# Allegro board visualscope2.0.brd (continued)
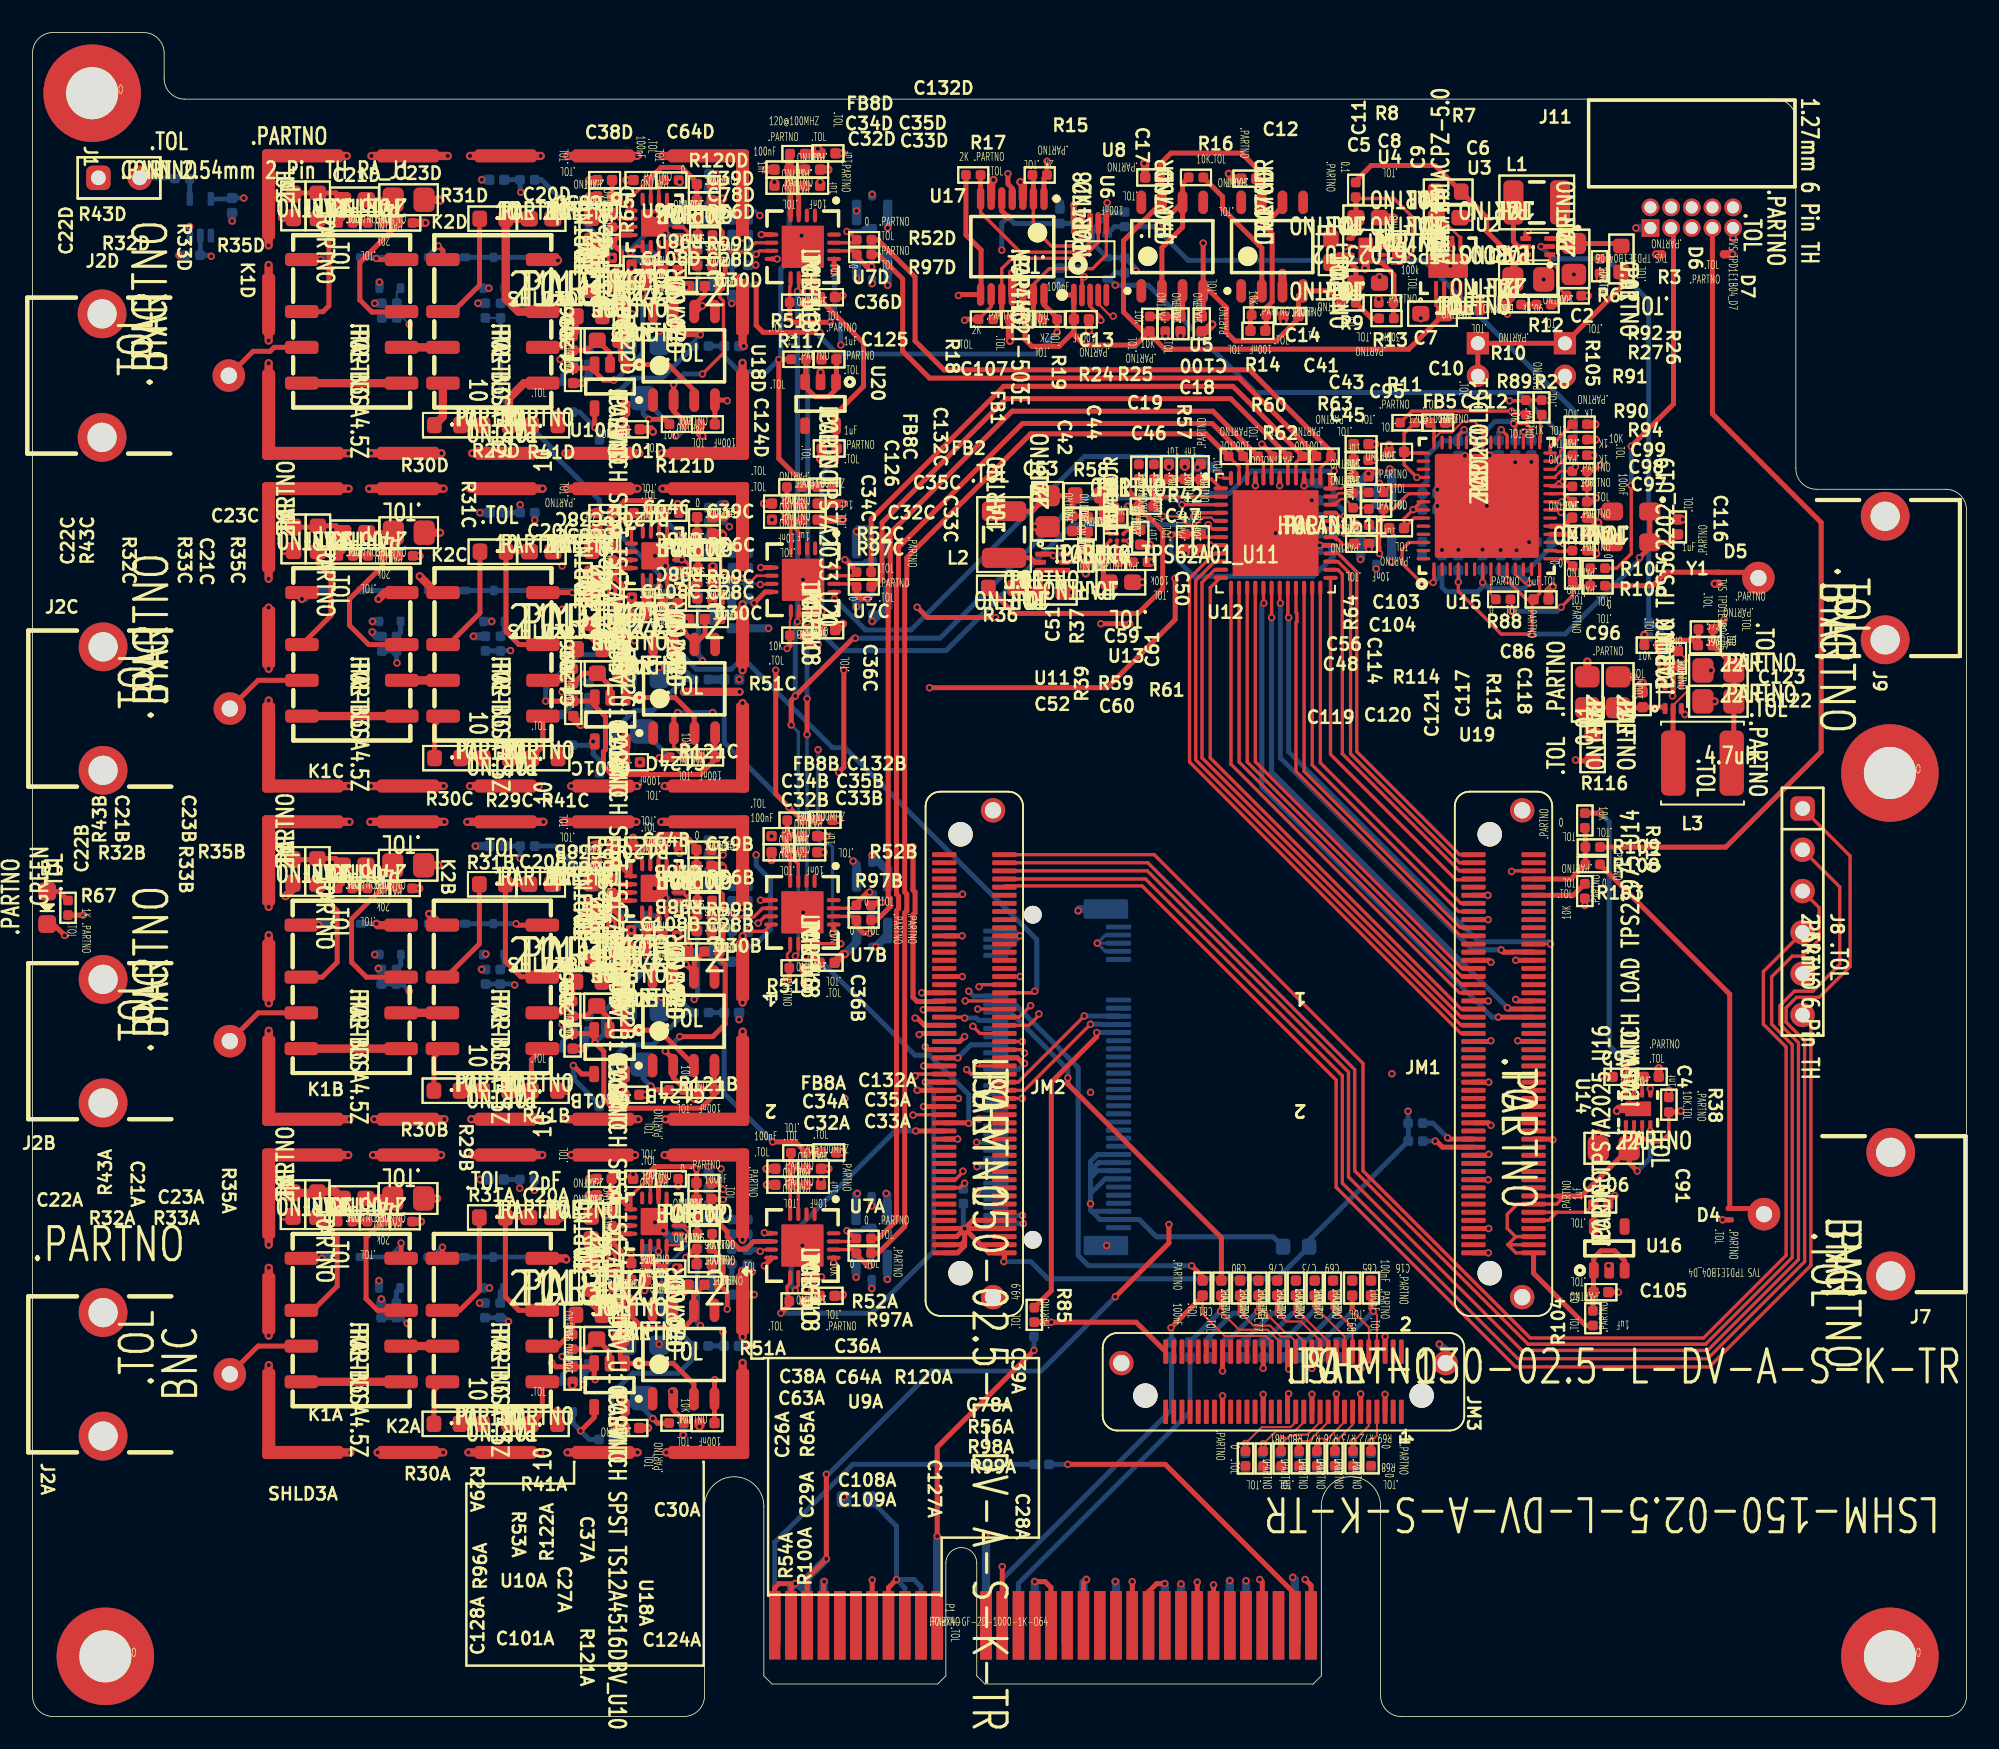
[diagram p0: board, top side]
## Library data of the parts (continued)
R97A R97B R97C R97D = RES 0 OHM 1/16W 0402_R97: Tolerance: .TOL; User Part Number: .PARTNO
R98A R98B R98C R98D = RES 90.9K OHM 1% 1/16W 0402_R98: Tolerance: .TOL; User Part Number: .PARTNO
R99A R99B R99C R99D = RES 90.9K OHM 1% 1/16W 0402_R99: Tolerance: .TOL; User Part Number: .PARTNO
R100A R100B R100C R100D = RES 2K OHM 1% 1/16W 0402_R100: Tolerance: .TOL; User Part Number: .PARTNO
R101 = RES 10K OHM 1% 1/10W 0402_R101: Tolerance: .TOL; User Part Number: .PARTNO
R102 = RES 10K OHM 1% 1/10W 0402_R102: Tolerance: .TOL; User Part Number: .PARTNO
R103 = RES 10K OHM 1% 1/10W 0402_R103: Tolerance: .TOL; User Part Number: .PARTNO
R104 = RES 0.1 OHM 1% 1/6W 0402_R104: Tolerance: .TOL; User Part Number: .PARTNO
R105 = RES 100K OHM 1% 1/10W 0402_R105: Tolerance: .TOL; User Part Number: .PARTNO
R106 = RES 0 OHM 1/16W 0402_R106: Tolerance: .TOL; User Part Number: .PARTNO
R107 = RES 0 OHM 1/16W 0402_R107: Tolerance: .TOL; User Part Number: .PARTNO
R108 = RES 0 OHM 1/16W 0402_R108: Tolerance: .TOL; User Part Number: .PARTNO
R109 = RES 0 OHM 1/16W 0402_R109: Tolerance: .TOL; User Part Number: .PARTNO
R110 = RES 10K OHM 1% 1/10W 0402_R110: Tolerance: .TOL; User Part Number: .PARTNO
R111 = RES 1K OHM 1% 1/10W 0402_R111: Tolerance: .TOL; User Part Number: .PARTNO
R113 = RES 57.6K OHM 1% 1/16W 040_R113: Tolerance: .TOL; User Part Number: .PARTNO
R114 = RES 10K OHM 1% 1/10W 0402_R114: Tolerance: .TOL; User Part Number: .PARTNO
R115 = RES 10K OHM 1% 1/10W 0402_R115: Tolerance: .TOL; User Part Number: .PARTNO
R116 = RES 0.01 OHM 1% 1/4W 0603_R116: Tolerance: .TOL; User Part Number: .PARTNO
R117 = RES 0.1 OHM 1% 1/6W 0402_R117: Tolerance: .TOL; User Part Number: .PARTNO
R118A R118B R118C R118D = RES 1K OHM 1% 1/10W 0402_R118: Tolerance: .TOL; User Part Number: .PARTNO
R119A R119B R119C R119D = RES 1K OHM 1% 1/10W 0402_R119: Tolerance: .TOL; User Part Number: .PARTNO
R120A R120B R120C R120D = RES 0 OHM 1/16W 0402_R120: Tolerance: .TOL; User Part Number: .PARTNO
R121A R121B R121C R121D = RES 10K OHM 1% 1/10W 0402_R121: Tolerance: .TOL; User Part Number: .PARTNO
R122A R122B R122C R122D = RES 90.9K OHM 1% 1/16W 040_R122: Tolerance: .TOL; User Part Number: .PARTNO
R123A R123B R123C R123D = RES DNP 0402_R123: Tolerance: .TOL; User Part Number: .PARTNO
R124A R124B R124C R124D = TRIMMER 5K OHM 0.1W J LEAD_R124: Tolerance: .TOL; User Part Number: .PARTNO
R125A R125B R125C R125D = RES 10K OHM 1% 1/10W 0402_R125: Tolerance: .TOL; User Part Number: .PARTNO
R126A R126B R126C R126D = RES 10K OHM 1% 1/10W 0402_R126: Tolerance: .TOL; User Part Number: .PARTNO
R127A R127B R127C R127D = RES 10K OHM 1% 1/10W 0402_R127: Tolerance: .TOL; User Part Number: .PARTNO
SHLD3A SHLD3B SHLD3C SHLD3D = SHIELD 2118728-2: Tolerance: .TOL; User Part Number: .PARTNO
U1 = IC BUFFER SN74LVC1G17_U1: Tolerance: .TOL; User Part Number: .PARTNO
U2 = IC BOOST TPS61023_U2: Tolerance: .TOL; User Part Number: .PARTNO
U3 = IC LDO ADM7171ACPZ-5.0_U3: Tolerance: .TOL; User Part Number: .PARTNO
U4 = IC CPUMP LM27761_U4: Tolerance: .TOL; User Part Number: .PARTNO
U5 U8 U18A U18B U18C U18D = IC OPAMP OP07CDR: Tolerance: .TOL; User Part Number: .PARTNO
U6 = IC DAC QUAD MCP4728_U6: Tolerance: .TOL; User Part Number: .PARTNO
U7A U7B U7C U7D = IC PGA LMH6518_U7: Tolerance: .TOL; User Part Number: .PARTNO
U9A U9B U9C U9D = IC BUFFER AMP BUF802_U9: Tolerance: .TOL; User Part Number: .PARTNO
U10A U10B U10C U10D = IC SWITCH SPST TS12A4516DBV_U10: Tolerance: .TOL; User Part Number: .PARTNO
U11 = IC BUCK TPS62A01_U11: Tolerance: .TOL; User Part Number: .PARTNO
U12 = IC ADC HMCAD1511_U12_0: Tolerance: .TOL; User Part Number: .PARTNO
U13 = IC LDO LD57100JR_U13: Tolerance: .TOL; User Part Number: .PARTNO
U14 = IC SWITCH LOAD TPS22975_U14: Tolerance: .TOL; User Part Number: .PARTNO
U15 = IC CLK GEN ZL30260LDG1_U15: Tolerance: .TOL; User Part Number: .PARTNO
U16 = IC LDO TPS7A2025_U16: Tolerance: .TOL; User Part Number: .PARTNO
U17 = IC DIGIPOT QUAD MCP4432T-50_U17: Tolerance: .TOL; User Part Number: .PARTNO
U19 = IC BUCK TPS562202_U19: Tolerance: .TOL; User Part Number: .PARTNO
U20 = IC LDO TPS7A2033_U20: Tolerance: .TOL; User Part Number: .PARTNO
Y1 = OSC 10MHz ECS-TXO-3225MV_Y1: Tolerance: .TOL; User Part Number: .PARTNO

## Footprints (pads in the part's own frame, mm; a bottom-side part is the same pattern mirrored in y, then rotated)
AD_DFN8_CP-8-21
  rrect 0.9x0.25 smd: 1(-1.395,0.75) 2(-1.395,0.25) 3(-1.395,-0.25) 4(-1.395,-0.75) 5(1.395,-0.75) 6(1.395,-0.25) 7(1.395,0.25) 8(1.395,0.75)
  rrect 1.49x2.44 smd: 9(0,0)
AD_QFN48_LP7
  oval 0.9x0.25 smd: 1(-3.375,2.75) 2(-3.375,2.25) 3(-3.375,1.75) 4(-3.375,1.25) 5(-3.375,0.75) 6(-3.375,0.25) 7(-3.375,-0.25) 8(-3.375,-0.75) 9(-3.375,-1.25) 10(-3.375,-1.75) 11(-3.375,-2.25) 12(-3.375,-2.75) 25(3.375,-2.75) 26(3.375,-2.25) 27(3.375,-1.75) 28(3.375,-1.25) 29(3.375,-0.75) 30(3.375,-0.25) 31(3.375,0.25) 32(3.375,0.75) 33(3.375,1.25) 34(3.375,1.75) 35(3.375,2.25) 36(3.375,2.75)
  oval 0.25x0.9 smd: 13(-2.75,-3.375) 14(-2.25,-3.375) 15(-1.75,-3.375) 16(-1.25,-3.375) 17(-0.75,-3.375) 18(-0.25,-3.375) 19(0.25,-3.375) 20(0.75,-3.375) 21(1.25,-3.375) 22(1.75,-3.375) 23(2.25,-3.375) 24(2.75,-3.375) 37(2.75,3.375) 38(2.25,3.375) 39(1.75,3.375) 40(1.25,3.375) 41(0.75,3.375) 42(0.25,3.375) 43(-0.25,3.375) 44(-0.75,3.375) 45(-1.25,3.375) 46(-1.75,3.375) 47(-2.25,3.375) 48(-2.75,3.375)
  rect 5.28x5.28 smd: 49(0,0)
BOU_3MM_POT
  rrect 1.2x1.2 smd: 1(-1,-1.55) 3(1,-1.55)
  rrect 1.6x1.5 smd: 2(0,1.7)
ECS_TXO-3225
  rrect 1.3x1.1 smd: 1(-1.15,-0.95) 2(1.15,-0.95) 3(1.15,0.95) 4(-1.15,0.95)
FUJ_FTR-B3SA
  rrect 0.8x2.06 smd: 1(-3.8,-3.07) 2(-0.6,-3.07) 3(1.6,-3.07) 4(3.8,-3.07) 5(3.8,3.07) 6(1.6,3.07) 7(-0.6,3.07) 8(-3.8,3.07)
GEN_1_27MM_2X5_PIN_TH_RA
  rect 1.09x1.09 hole 0.74: 1(-2.54,-0.635)
  round 1.09 hole 0.74: 2(-2.54,0.635) 3(-1.27,-0.635) 4(-1.27,0.635) 5(0,-0.635) 6(0,0.635) 7(1.27,-0.635) 8(1.27,0.635) 9(2.54,-0.635) 10(2.54,0.635)
GEN_2_54MM_1X2_PIN_TH_RA
  rrect 1.5x1.5 hole 0.9: 1(-1.27,0)
  round 1.5 hole 0.9: 2(1.27,0)
GEN_2_54MM_6_PIN_TH_RA
  rrect 1.5x1.5 hole 0.9: 1(-6.35,0)
  round 1.5 hole 0.9: 2(-3.81,0) 3(-1.27,0) 4(1.27,0) 5(3.81,0) 6(6.35,0)
GEN_C_0402
  rrect 0.64x0.64 smd: 1(-0.46,0) 2(0.46,0)
GEN_C_0603
  rrect 1.05x0.95 smd: 1(-0.725,0) 2(0.725,0)
GEN_C_0805
  rrect 1.3x1.5 smd: 1(-0.95,0) 2(0.95,0)
GEN_L_1210
  rrect 1.23x2.72 smd: 1(-1.435,0) 2(1.435,0)
GEN_R_0402
  rrect 0.6x0.6 smd: 1(-0.45,0) 2(0.45,0)
GEN_R_0603
  rrect 0.9x1 smd: 1(-0.8,0) 2(0.8,0)
GEN_SC-70-5
  rrect 0.85x0.4 smd: 1(-1.125,0.65) 2(-1.125,0) 3(-1.125,-0.65) 4(1.125,-0.65) 5(1.125,0.65)
GEN_SOD_323
  rrect 0.65x0.5 smd: 1(-1.1,0) 2(1.1,0)
GEN_SOT23_5_950_2900X1600X1450
  rrect 1x0.6 smd: 1(-1.35,0.95) 2(-1.35,0) 3(-1.35,-0.95) 4(1.35,-0.95) 5(1.35,0.95)
GEN_SOT_323
  rrect 0.47x0.6 smd: 1(0,0.95) 2(-0.65,-0.95) 3(0.65,-0.95)
JST_B2B-PH-K-S_LF_SN
  rect 1.368x1.368 hole 0.86: 1(1,-0.55)
  round 1.368 hole 0.86: 2(-1,-0.55)
LED_0603_LTST-S270K
  rrect 1.1x1.1 smd: 1(-1,0) 2(1,0)
MC_MSOP10_UN
  oval 1.4x0.35 smd: 1(-2.2,1) 2(-2.2,0.5) 3(-2.2,0) 4(-2.2,-0.5) 5(-2.2,-1) 6(2.2,-1) 7(2.2,-0.5) 8(2.2,0) 9(2.2,0.5) 10(2.2,1)
MC_QFN56_ZL30260
  oval 0.85x0.2 smd: 1(-3.9,3.25) 2(-3.9,2.75) 3(-3.9,2.25) 4(-3.9,1.75) 5(-3.9,1.25) 6(-3.9,0.75) 7(-3.9,0.25) 8(-3.9,-0.25) 9(-3.9,-0.75) 10(-3.9,-1.25) 11(-3.9,-1.75) 12(-3.9,-2.25) 13(-3.9,-2.75) 14(-3.9,-3.25) 29(3.9,-3.25) 30(3.9,-2.75) 31(3.9,-2.25) 32(3.9,-1.75) 33(3.9,-1.25) 34(3.9,-0.75) 35(3.9,-0.25) 36(3.9,0.25) 37(3.9,0.75) 38(3.9,1.25) 39(3.9,1.75) 40(3.9,2.25) 41(3.9,2.75) 42(3.9,3.25)
  oval 0.2x0.85 smd: 15(-3.25,-3.9) 16(-2.75,-3.9) 17(-2.25,-3.9) 18(-1.75,-3.9) 19(-1.25,-3.9) 20(-0.75,-3.9) 21(-0.25,-3.9) 22(0.25,-3.9) 23(0.75,-3.9) 24(1.25,-3.9) 25(1.75,-3.9) 26(2.25,-3.9) 27(2.75,-3.9) 28(3.25,-3.9) 43(3.25,3.9) 44(2.75,3.9) 45(2.25,3.9) 46(1.75,3.9) 47(1.25,3.9) 48(0.75,3.9) 49(0.25,3.9) 50(-0.25,3.9) 51(-0.75,3.9) 52(-1.25,3.9) 53(-1.75,3.9) 54(-2.25,3.9) 55(-2.75,3.9) 56(-3.25,3.9)
  rrect 6.4x6.4 smd: 57(0,0)
MC_TSSOP14
  oval 1.4x0.45 smd: 1(-2.95,1.95) 2(-2.95,1.3) 3(-2.95,0.65) 4(-2.95,0) 5(-2.95,-0.65) 6(-2.95,-1.3) 7(-2.95,-1.95) 8(2.95,-1.95) 9(2.95,-1.3) 10(2.95,-0.65) 11(2.95,0) 12(2.95,0.65) 13(2.95,1.3) 14(2.95,1.95)
MH_M3
  round 6 hole 3.2: 1(0,0)
MOL_0731000105
  round 2 hole 1: 1(0,-3.9)
  round 3 hole 1.8: 2(3.8,3.9) 3(-3.8,3.9)
PCIEX4-GF-2D-1000-1K-O64
  rect 0.7x3.2 smd: A1(-9.5,0.5) B17(8.5,0.5) B31(22.5,0.5)
  rect 0.7x4.2 smd: A2(-8.5,0) A3(-7.5,0) A4(-6.5,0) A5(-5.5,0) A6(-4.5,0) A7(-3.5,0) A8(-2.5,0) A9(-1.5,0) A10(-0.5,0) A11(0.5,0) A12(3.5,0) A13(4.5,0) A14(5.5,0) A15(6.5,0) A16(7.5,0) A17(8.5,0) A18(9.5,0) A19(10.5,0) A20(11.5,0) A21(12.5,0) A22(13.5,0) A23(14.5,0) A24(15.5,0) A25(16.5,0) A26(17.5,0) A27(18.5,0) A28(19.5,0) A29(20.5,0) A30(21.5,0) A31(22.5,0) A32(23.5,0) B1(-9.5,0) B2(-8.5,0) B3(-7.5,0) B4(-6.5,0) B5(-5.5,0) B6(-4.5,0) B7(-3.5,0) B8(-2.5,0) B9(-1.5,0) B10(-0.5,0) B11(0.5,0) B12(3.5,0) B13(4.5,0) B14(5.5,0) B15(6.5,0) B16(7.5,0) B18(9.5,0) B19(10.5,0) B20(11.5,0) B21(12.5,0) B22(13.5,0) B23(14.5,0) B24(15.5,0) B25(16.5,0) B26(17.5,0) B27(18.5,0) B28(19.5,0) B29(20.5,0) B30(21.5,0) B32(23.5,0)
SAM_LSHM-130-XX_X-XX-DV-A-S
  round 1.5 hole 1.5: (-8.5,-0.85) (8.5,-0.85)
  rrect 0.3x1.5 smd: 1(7.25,-1.85) 2(7.25,1.85) 3(6.75,-1.85) 4(6.75,1.85) 5(6.25,-1.85) 6(6.25,1.85) 7(5.75,-1.85) 8(5.75,1.85) 9(5.25,-1.85) 10(5.25,1.85) 11(4.75,-1.85) 12(4.75,1.85) 13(4.25,-1.85) 14(4.25,1.85) 15(3.75,-1.85) 16(3.75,1.85) 17(3.25,-1.85) 18(3.25,1.85) 19(2.75,-1.85) 20(2.75,1.85) 21(2.25,-1.85) 22(2.25,1.85) 23(1.75,-1.85) 24(1.75,1.85) 25(1.25,-1.85) 26(1.25,1.85) 27(0.75,-1.85) 28(0.75,1.85) 29(0.25,-1.85) 30(0.25,1.85) 31(-0.25,-1.85) 32(-0.25,1.85) 33(-0.75,-1.85) 34(-0.75,1.85) 35(-1.25,-1.85) 36(-1.25,1.85) 37(-1.75,-1.85) 38(-1.75,1.85) 39(-2.25,-1.85) 40(-2.25,1.85) 41(-2.75,-1.85) 42(-2.75,1.85) 43(-3.25,-1.85) 44(-3.25,1.85) 45(-3.75,-1.85) 46(-3.75,1.85) 47(-4.25,-1.85) 48(-4.25,1.85) 49(-4.75,-1.85) 50(-4.75,1.85) 51(-5.25,-1.85) 52(-5.25,1.85) 53(-5.75,-1.85) 54(-5.75,1.85) 55(-6.25,-1.85) 56(-6.25,1.85) 57(-6.75,-1.85) 58(-6.75,1.85) 59(-7.25,-1.85) 60(-7.25,1.85)
  round 1.5 hole 1: 61(9.975,1.15) 62(-9.975,1.15)
SAM_LSHM-150-XX_X-XX-DV-A-S
  round 1.5 hole 1.5: (-13.5,-0.85) (13.5,-0.85)
  rrect 0.3x1.5 smd: 1(12.25,-1.85) 2(12.25,1.85) 3(11.75,-1.85) 4(11.75,1.85) 5(11.25,-1.85) 6(11.25,1.85) 7(10.75,-1.85) 8(10.75,1.85) 9(10.25,-1.85) 10(10.25,1.85) 11(9.75,-1.85) 12(9.75,1.85) 13(9.25,-1.85) 14(9.25,1.85) 15(8.75,-1.85) 16(8.75,1.85) 17(8.25,-1.85) 18(8.25,1.85) 19(7.75,-1.85) 20(7.75,1.85) 21(7.25,-1.85) 22(7.25,1.85) 23(6.75,-1.85) 24(6.75,1.85) 25(6.25,-1.85) 26(6.25,1.85) 27(5.75,-1.85) 28(5.75,1.85) 29(5.25,-1.85) 30(5.25,1.85) 31(4.75,-1.85) 32(4.75,1.85) 33(4.25,-1.85) 34(4.25,1.85) 35(3.75,-1.85) 36(3.75,1.85) 37(3.25,-1.85) 38(3.25,1.85) 39(2.75,-1.85) 40(2.75,1.85) 41(2.25,-1.85) 42(2.25,1.85) 43(1.75,-1.85) 44(1.75,1.85) 45(1.25,-1.85) 46(1.25,1.85) 47(0.75,-1.85) 48(0.75,1.85) 49(0.25,-1.85) 50(0.25,1.85) 51(-0.25,-1.85) 52(-0.25,1.85) 53(-0.75,-1.85) 54(-0.75,1.85) 55(-1.25,-1.85) 56(-1.25,1.85) 57(-1.75,-1.85) 58(-1.75,1.85) 59(-2.25,-1.85) 60(-2.25,1.85) 61(-2.75,-1.85) 62(-2.75,1.85) 63(-3.25,-1.85) 64(-3.25,1.85) 65(-3.75,-1.85) 66(-3.75,1.85) 67(-4.25,-1.85) 68(-4.25,1.85) 69(-4.75,-1.85) 70(-4.75,1.85) 71(-5.25,-1.85) 72(-5.25,1.85) 73(-5.75,-1.85) 74(-5.75,1.85) 75(-6.25,-1.85) 76(-6.25,1.85) 77(-6.75,-1.85) 78(-6.75,1.85) 79(-7.25,-1.85) 80(-7.25,1.85) 81(-7.75,-1.85) 82(-7.75,1.85) 83(-8.25,-1.85) 84(-8.25,1.85) 85(-8.75,-1.85) 86(-8.75,1.85) 87(-9.25,-1.85) 88(-9.25,1.85) 89(-9.75,-1.85) 90(-9.75,1.85) 91(-10.25,-1.85) 92(-10.25,1.85) 93(-10.75,-1.85) 94(-10.75,1.85) 95(-11.25,-1.85) 96(-11.25,1.85) 97(-11.75,-1.85) 98(-11.75,1.85) 99(-12.25,-1.85) 100(-12.25,1.85)
  round 1.5 hole 1: 101(14.975,1.15) 102(-14.975,1.15)
ST_FLIPCHIP6
  round 0.279 smd: A1(-0.2,0.4) A2(0.2,0.4) B1(-0.2,0) B2(0.2,0) C1(-0.2,-0.4) C2(0.2,-0.4)
TE_2118728-2
  rrect 0.8x5.55 smd: 1(-14.581,6.772) 3(-14.579,-6.772) 9(14.581,-6.772) 11(14.579,6.772)
  rrect 0.8x3.8 smd: 2(-14.579,0.003) 10(14.581,0.003)
  rrect 4.98x0.8 smd: 4(-12.489,-9.147) 8(12.491,-9.147) 12(12.489,9.147) 16(-12.491,9.147)
  rrect 3.8x0.8 smd: 5(-5.999,-9.147) 6(0.001,-9.147) 7(6.001,-9.147) 13(5.999,9.147) 14(-0.001,9.147) 15(-6.001,9.147)
TE_2334884-1
  rrect 0.6x0.55 smd: 1(0,-0.975)
  rrect 0.58x1.58 smd: 2(0.96,0) 4(-0.96,0)
  rrect 0.5x0.5 smd: 3(0,1)
TE_M2_KEYM_2199230
  round 1.092 hole 1.092: (-10,-1.5) (10,-1.5)
  rrect 0.305x1.549 smd: 1(-9.25,3.775) 2(-9,-3.775) 3(-8.75,3.775) 4(-8.5,-3.775) 5(-8.25,3.775) 6(-8,-3.775) 7(-7.75,3.775) 8(-7.5,-3.775) 9(-7.25,3.775) 10(-7,-3.775) 11(-6.75,3.775) 12(-6.5,-3.775) 13(-6.25,3.775) 14(-6,-3.775) 15(-5.75,3.775) 16(-5.5,-3.775) 17(-5.25,3.775) 18(-5,-3.775) 19(-4.75,3.775) 20(-4.5,-3.775) 21(-4.25,3.775) 22(-4,-3.775) 23(-3.75,3.775) 24(-3.5,-3.775) 25(-3.25,3.775) 26(-3,-3.775) 27(-2.75,3.775) 28(-2.5,-3.775) 29(-2.25,3.775) 30(-2,-3.775) 31(-1.75,3.775) 32(-1.5,-3.775) 33(-1.25,3.775) 34(-1,-3.775) 35(-0.75,3.775) 36(-0.5,-3.775) 37(-0.25,3.775) 38(0,-3.775) 39(0.25,3.775) 40(0.5,-3.775) 41(0.75,3.775) 42(1,-3.775) 43(1.25,3.775) 44(1.5,-3.775) 45(1.75,3.775) 46(2,-3.775) 47(2.25,3.775) 48(2.5,-3.775) 49(2.75,3.775) 50(3,-3.775) 51(3.25,3.775) 52(3.5,-3.775) 53(3.75,3.775) 54(4,-3.775) 55(4.25,3.775) 56(4.5,-3.775) 57(4.75,3.775) 58(5,-3.775) 67(7.25,3.775) 68(7.5,-3.775) 69(7.75,3.775) 70(8,-3.775) 71(8.25,3.775) 72(8.5,-3.775) 73(8.75,3.775) 74(9,-3.775) 75(9.25,3.775)
  rrect 1.194x2.743 smd: 76(-10.35,3) 77(10.35,3)
TI_SOIC8_D0008A
  oval 1.45x0.6 smd: 1(-2.725,1.905) 2(-2.725,0.635) 3(-2.725,-0.635) 4(-2.725,-1.905) 5(2.725,-1.905) 6(2.725,-0.635) 7(2.725,0.635) 8(2.725,1.905)
TI_SOT563_DRL0006A
  rrect 0.67x0.3 smd: 1(-0.74,0.5) 2(-0.74,0) 3(-0.74,-0.5) 4(0.74,-0.5) 5(0.74,0) 6(0.74,0.5)
TI_VQFN_RGT0016C
  oval 0.8x0.25 smd: 1(-1.45,0.75) 2(-1.45,0.25) 3(-1.45,-0.25) 4(-1.45,-0.75) 9(1.45,-0.75) 10(1.45,-0.25) 11(1.45,0.25) 12(1.45,0.75)
  oval 0.25x0.8 smd: 5(-0.75,-1.45) 6(-0.25,-1.45) 7(0.25,-1.45) 8(0.75,-1.45) 13(0.75,1.45) 14(0.25,1.45) 15(-0.25,1.45) 16(-0.75,1.45)
  rrect 1.68x1.68 smd: 17(0,0)
TI_WQFN_RGH0016A
  oval 0.85x0.25 smd: 1(-1.925,0.75) 2(-1.925,0.25) 3(-1.925,-0.25) 4(-1.925,-0.75) 9(1.925,-0.75) 10(1.925,-0.25) 11(1.925,0.25) 12(1.925,0.75)
  oval 0.25x0.85 smd: 5(-0.75,-1.925) 6(-0.25,-1.925) 7(0.25,-1.925) 8(0.75,-1.925) 13(0.75,1.925) 14(0.25,1.925) 15(-0.25,1.925) 16(-0.75,1.925)
  rrect 2.6x2.6 smd: 17(0,0)
TI_WSON8_DSG0008A
  rrect 0.5x0.25 smd: 1(-0.95,0.75) 2(-0.95,0.25) 3(-0.95,-0.25) 4(-0.95,-0.75) 5(0.95,-0.75) 6(0.95,-0.25) 7(0.95,0.25) 8(0.95,0.75)
  rrect 0.9x1.6 smd: 9(0,0)
TI_X1SON_DPY0002A
  rrect 0.3x0.5 smd: 1(-0.35,0) 2(0.35,0)
TY_IND_NRS5030
  rrect 1.5x4 smd: 1(-1.8,0) 2(1.8,0)

## Nets
3.3VAUX: P1.B10
+1V8A: C41.2 C42.2 C43.2 C44.2 C45.2 C46.2 C54.2 C55.2 C56.2 U12.1 U12.32 U12.36
+1V8APLL: C82.1 C83.1 C84.1 C85.1 C86.1 C87.1 C89.1 C114.1 C115.1 C116.1 U15.4 U15.10 U15.14 U15.31 U15.33 U15.39 U15.49 U15.50 U15.51 Y1.1 Y1.4(VDD)
+1V8D: C47.2 C48.2 C49.2 C50.2 U12.7 U12.30
+1V92: C51.2 C53.2 L2.2 R37.2 R58.1
+2V5: C106.2 JM1.10 JM1.12 U16.5(OUT)
+3V3: C1.1 C57.2 C58.2 C61.2 C92.2 D2A.1(K) D2B.1(K) D2C.1(K) D2D.1(K) D3A.1(K) D3B.1(K) D3C.1(K) D3D.1(K) FB5.1 K1A.1 K1B.1 K1C.1 K1D.1 K2A.1 K2B.1 K2C.1 K2D.1 Q1.2 Q2.2 R20.2 R21.2 R36.1 R42.2 R44.2 R67.2 R89.2 R90.2 R91.2 R93.1 R94.1 R110.1 R111.1 U1.5(VCC) U12.33 U13.C2 U14.7(VOUT1) U14.8
+3V3_IN: C91.2 JM1.2 JM1.4 JM1.6 JM1.14 JM1.16 JM2.1 JM2.2 JM2.3 JM2.4 JM2.5 JM2.7 JM2.8 JM2.10 R66.2 R87.2 R95.2 R101.2 R102.2 R104.1 U14.1 U14.2 U14.4
+3V3_M2: J10.3 J10.5 J10.13 J10.15 J10.17 J10.19 J10.69 J10.71 J10.73 R95.1
+3V3_PCIE: P1.A9 P1.A10 P1.B8 R87.1
+3V3_PGA: C36A.2 C36B.2 C36C.2 C36D.2 C126.2 R51A.2 R51B.2 R51C.2 R51D.2 U7A.12(VDD) U7B.12(VDD) U7C.12(VDD) U7D.12(VDD) U20.5(OUT)
+5V: C7.2 C12.1 C13.2 C17.1 C107.2 C111A.2 C111B.2 C111C.2 C111D.2 C132A.2 C132B.2 C132C.2 C132D.2 FB8A.2 FB8B.2 FB8C.2 FB8D.2 FB9A.1 FB9B.1 FB9C.1 FB9D.1 R22.2 R23.2 R24.2 R117.1 U3.1 U3.2(VOUT1) U3.3 U5.7 U6.1 U8.7 U17.12
+5V2: C3.2 C118.2 C122.2 C123.2 L3.2 R7.1 R8.1 R10.2 R113.2 U2.6(VOUT)
+12V: C119.2 C120.2 C121.1 R116.2 U19.1(VIN)
+12V_PCIE: P1.A2 P1.A3 P1.B1 P1.B2 P1.B3 R116.1
-5V: C14.2 C18.2 C133A.1 C133B.1 C133C.1 C133D.1 FB10A.1 FB10B.1 FB10C.1 FB10D.1 R9.2 U5.4(V-) U8.4(V-)
GND: C1.2 C2.1 C3.1 C4.1 C5.1 C6.1 C7.1 C8.1 C10.1 C11.1 C12.2 C13.1 C14.1 C17.2 C18.1 C19.1 C20A.2 C20B.2 C20C.2 C20D.2 C22A.1 C22B.1 C22C.1 C22D.1 C23A.1 C23B.1 C23C.1 C23D.1 C28A.2 C28B.2 C28C.2 C28D.2 C29A.1 C29B.1 C29C.1 C29D.1 C31A.2 C31B.2 C31C.2 C31D.2 C32A.1 C32B.1 C32C.1 C32D.1 C33A.1 C33B.1 C33C.1 C33D.1 C34A.1 C34B.1 C34C.1 C34D.1 C35A.1 C35B.1 C35C.1 C35D.1 C36A.1 C36B.1 C36C.1 C36D.1 C37A.1 C37B.1 C37C.1 C37D.1 C38A.2 C38B.2 C38C.2 C38D.2 C39A.2 C39B.2 C39C.2 C39D.2 C41.1 C42.1 C43.1 C44.1 C45.1 C46.1 C47.1 C48.1 C49.1 C50.1 C52.1 C53.1 C54.1 C55.1 C56.1 C57.1 C58.1 C59.1 C60.1 C61.1 C63A.2 C63B.2 C63C.2 C63D.2 C64A.1 C64B.1 C64C.1 C64D.1 C78A.1 C78B.1 C78C.1 C78D.1 C82.2 C83.2 C84.2 C85.2 C86.2 C87.2 C88.2 C89.2 C90.2 C91.1 C92.1 C93.2 C94.2 C95.2 C97.2 C99.2 C101A.1 C101B.1 C101C.1 C101D.1 C102A.1 C102B.1 C102C.1 C102D.1 C105.1 C106.1 C107.1 C108A.1 C108B.1 C108C.1 C108D.1 C109A.2 C109B.2 C109C.2 C109D.2 C110A.2 C110B.2 C110C.2 C110D.2 C111A.1 C111B.1 C111C.1 C111D.1 C112.2 C113.2 C114.2 C115.2 C116.2 C119.1 C120.1 C121.2 C122.1 C123.1 C124A.2 C124B.2 C124C.2 C124D.2 C125.1 C126.1 C127A.1 C127B.1 C127C.1 C127D.1 C128A.1 C128B.1 C128C.1 C128D.1 C129A.2 C129B.2 C129C.2 C129D.2 C130A.2 C130B.2 C130C.2 C130D.2 C131A.2 C131B.2 C131C.2 C131D.2 C132A.1 C132B.1 C132C.1 C132D.1 C133A.2 C133B.2 C133C.2 C133D.2 C134.1 D4.2 D5.2 D6.2 D7.2 J1.1 J2A.2 J2A.3 J2B.2 J2B.3 J2C.2 J2C.3 J2D.2 J2D.3 J3A.2 J3A.3 J3A.4 J3B.2 J3B.3 J3B.4 J3C.2 J3C.3 J3C.4 J3D.2 J3D.3 J3D.4 J4A.2 J4A.3 J4A.4 J4B.2 J4B.3 J4B.4 J4C.2 J4C.3 J4C.4 J4D.2 J4D.3 J4D.4 J5.2 J5.3 J5.4 J6.2 J6.3 J6.4 J7.2 J7.3 J8.5 J9.2 J9.3 J10.2 J10.4 J10.10 J10.16 J10.22 J10.28 J10.34 J10.40 J10.46 J10.52 J10.58 J10.70 J10.72 J10.74 J10.76 J10.77 J11.1 J11.2 J11.4 J11.5 J11.6 J11.8 J11.9 J11.10 J13.2 JM1.1 JM1.7 JM1.19 JM1.25 JM1.30 JM1.33 JM1.43 JM1.53 JM1.54 JM1.63 JM1.64 JM1.73 JM1.74 JM1.83 JM1.89 JM1.101 JM1.102 JM2.19 JM2.29 JM2.39 JM2.40 JM2.49 JM2.50 JM2.59 JM2.60 JM2.69 JM2.70 JM2.79 JM2.80 JM2.89 JM2.101 JM2.102 JM3.5 JM3.6 JM3.11 JM3.12 JM3.17 JM3.18 JM3.23 JM3.24 JM3.29 JM3.30 JM3.35 JM3.36 JM3.45 JM3.46 JM3.61 JM3.62 MH1.1 MH2.1 MH3.1 MH4.1 P1.A4 P1.A12 P1.A15 P1.A18 P1.A20 P1.A23 P1.A24 P1.A27 P1.A28 P1.A31 P1.B4 P1.B7 P1.B13 P1.B16 P1.B18 P1.B21 P1.B22 P1.B25 P1.B26 P1.B29 P1.B32 Q3A.3(S) Q3B.3(S) Q3C.3(S) Q3D.3(S) Q4A.3(S) Q4B.3(S) Q4C.3(S) Q4D.3(S) Q5A.3(S) Q5B.3(S) Q5C.3(S) Q5D.3(S) R2.1 R6.2 R13.1 R25.1 R26.1 R27.1 R35A.1 R35B.1 R35C.1 R35D.1 R38.1 R39.1 R41A.1 R41B.1 R41C.1 R41D.1 R46.2 R49A.1 R49B.1 R49C.1 R49D.1 R50A.1 R50B.1 R50C.1 R50D.1 R61.1 R92.1 R103.1 R105.1 R114.1 R115.2 R120A.1 R120B.1 R120C.1 R120D.1 R122A.1 R122B.1 R122C.1 R122D.1 R123A.1 R123B.1 R123C.1 R123D.1 R124A.3 R124B.3 R124C.3 R124D.3 R127A.1 R127B.1 R127C.1 R127D.1 SHLD3A.1 SHLD3A.2 SHLD3A.3 SHLD3A.4 SHLD3A.5 SHLD3A.6 SHLD3A.7 SHLD3A.8 SHLD3A.9 SHLD3A.10 SHLD3A.11 SHLD3A.12 SHLD3A.13 SHLD3A.14 SHLD3A.15 SHLD3A.16 SHLD3B.1 SHLD3B.2 SHLD3B.3 SHLD3B.4 SHLD3B.5 SHLD3B.6 SHLD3B.7 SHLD3B.8 SHLD3B.9 SHLD3B.10 SHLD3B.11 SHLD3B.12 SHLD3B.13 SHLD3B.14 SHLD3B.15 SHLD3B.16 SHLD3C.1 SHLD3C.2 SHLD3C.3 SHLD3C.4 SHLD3C.5 SHLD3C.6 SHLD3C.7 SHLD3C.8 SHLD3C.9 SHLD3C.10 SHLD3C.11 SHLD3C.12 SHLD3C.13 SHLD3C.14 SHLD3C.15 SHLD3C.16 SHLD3D.1 SHLD3D.2 SHLD3D.3 SHLD3D.4 SHLD3D.5 SHLD3D.6 SHLD3D.7 SHLD3D.8 SHLD3D.9 SHLD3D.10 SHLD3D.11 SHLD3D.12 SHLD3D.13 SHLD3D.14 SHLD3D.15 SHLD3D.16 U1.3 U2.4 U3.6 U3.9 U4.2 U4.9 U5.3 U6.4 U6.10(VSS) U7A.5 U7A.8 U7A.17 U7B.5 U7B.8 U7B.17 U7C.5 U7C.8 U7C.17 U7D.5 U7D.8 U7D.17 U9A.17 U9B.17 U9C.17 U9D.17 U11.1 U12.8 U12.29 U12.31 U12.39 U12.42 U12.45 U12.49 U13.C1 U14.5 U14.9 U15.57 U16.2 U17.3 U17.6(VSS) U17.11 U19.3 U20.2 Y1.2
VDDH: C88.1 C90.1 C93.1 C94.1 C95.1 C112.1 C113.1 FB5.2 U15.1 U15.7 U15.11 U15.17 U15.30 U15.32 U15.36 U15.42 U15.43 U15.46 U15.54
+VBIAS: C130A.1 C130B.1 C130C.1 C130D.1 FB6A.1 FB6B.1 FB6C.1 FB6D.1 R16.1 U8.2 U8.6
+VFFE_FRONT END_CH1: C37A.2 C38A.1 C39A.1 C63A.1 C64A.2 C78A.2 C101A.2 FB9A.2 R125A.2 U9A.1 U9A.12 U9A.15 U10A.5 U18A.7
+VFFE_FRONT END_CH2: C37B.2 C38B.1 C39B.1 C63B.1 C64B.2 C78B.2 C101B.2 FB9B.2 R125B.2 U9B.1 U9B.12 U9B.15 U10B.5 U18B.7
+VFFE_FRONT END_CH3: C37C.2 C38C.1 C39C.1 C63C.1 C64C.2 C78C.2 C101C.2 FB9C.2 R125C.2 U9C.1 U9C.12 U9C.15 U10C.5 U18C.7
+VFFE_FRONT END_CH4: C37D.2 C38D.1 C39D.1 C63D.1 C64D.2 C78D.2 C101D.2 FB9D.2 R125D.2 U9D.1 U9D.12 U9D.15 U10D.5 U18D.7
+VPGA_FRONT END_CH1: C32A.2 C33A.2 C34A.2 C35A.2 FB8A.1 U7A.3 U7A.4
+VPGA_FRONT END_CH2: C32B.2 C33B.2 C34B.2 C35B.2 FB8B.1 U7B.3 U7B.4
+VPGA_FRONT END_CH3: C32C.2 C33C.2 C34C.2 C35C.2 FB8C.1 U7C.3 U7C.4
+VPGA_FRONT END_CH4: C32D.2 C33D.2 C34D.2 C35D.2 FB8D.1 U7D.3 U7D.4
+VUSB: J12.1 J12.2 J13.1 R3.2
-VBIAS: C100.1 C129A.1 C129B.1 C129C.1 C129D.1 FB4A.2 FB4B.2 FB4C.2 FB4D.2 R14.2 U5.6
-VFFE_FRONT END_CH1: C102A.2 C108A.2 C109A.1 C110A.1 C124A.1 C127A.2 C128A.2 FB10A.2 R55A.2 U9A.5 U9A.6 U9A.8 U9A.10(VSO-) U10A.3(V-) U18A.4(V-)
-VFFE_FRONT END_CH2: C102B.2 C108B.2 C109B.1 C110B.1 C124B.1 C127B.2 C128B.2 FB10B.2 R55B.2 U9B.5 U9B.6 U9B.8 U9B.10(VSO-) U10B.3(V-) U18B.4(V-)
-VFFE_FRONT END_CH3: C102C.2 C108C.2 C109C.1 C110C.1 C124C.1 C127C.2 C128C.2 FB10C.2 R55C.2 U9C.5 U9C.6 U9C.8 U9C.10(VSO-) U10C.3(V-) U18C.4(V-)
-VFFE_FRONT END_CH4: C102D.2 C108D.2 C109D.1 C110D.1 C124D.1 C127D.2 C128D.2 FB10D.2 R55D.2 U9D.5 U9D.6 U9D.8 U9D.10(VSO-) U10D.3(V-) U18D.4(V-)
AC0: R94.2 U15.23
AC1: R93.2 U15.22
AC2: R92.2 U15.28
ACQ_EN: JM2.52 R38.2 U14.3
ADC_CLK_C_N: C104.1 R64.1 U12.34
ADC_CLK_C_P: C103.1 R64.2 U12.35
ADC_CLK_N: C104.2 J5.1(S) U15.48
ADC_CLK_P: C103.2 J6.1(S) U15.47
ADC_PD: R46.1 U12.6
ADC_RSTN: R44.1 U12.5
ATTEN_1: JM2.35 R47A.2 R49A.2
ATTEN_2: JM2.45 R47B.2 R49B.2
ATTEN_3: JM2.55 R47C.2 R49C.2
ATTEN_4: JM2.62 R47D.2 R49D.2
ATTEN_OUT_FRONT END_CH1: K2A.6 R53A.1 R96A.2
ATTEN_OUT_FRONT END_CH2: K2B.6 R53B.1 R96B.2
ATTEN_OUT_FRONT END_CH3: K2C.6 R53C.1 R96C.2
ATTEN_OUT_FRONT END_CH4: K2D.6 R53D.1 R96D.2
CH1_N: R57.2 R97A.2 U12.47
CH1_P: R52A.2 R57.1 U12.46
CH2_N: R60.2 R97B.2 U12.44
CH2_P: R52B.2 R60.1 U12.43
CH3_N: R62.2 R97C.2 U12.41
CH3_P: R52C.2 R62.1 U12.40
CH4_N: R63.2 R97D.2 U12.38
CH4_P: R52D.2 R63.1 U12.37
D1A_N: JM1.57 U12.10
D1A_P: JM1.55 U12.9
D1B_N: JM1.61 U12.12
D1B_P: JM1.59 U12.11
D2A_N: JM1.67 U12.14
D2A_P: JM1.65 U12.13
D2B_N: JM1.71 U12.16
D2B_P: JM1.69 U12.15
D3A_N: JM1.81 U12.22
D3A_P: JM1.79 U12.21
D3B_N: JM1.87 U12.24
D3B_P: JM1.85 U12.23
D4A_N: JM1.95 U12.26
D4A_P: JM1.93 U12.25
D4B_N: JM1.99 U12.28
D4B_P: JM1.97 U12.27
DC_CPL_1: JM2.37 R126A.2 R127A.2
DC_CPL_2: JM2.47 R126B.2 R127B.2
DC_CPL_3: JM2.57 R126C.2 R127C.2
DC_CPL_4: JM2.64 R126D.2 R127D.2
DC_CPLN_FRONT END_CH1: Q5A.1 R125A.1 U10A.4
DC_CPLN_FRONT END_CH2: Q5B.1 R125B.1 U10B.4
DC_CPLN_FRONT END_CH3: Q5C.1 R125C.1 U10C.4
DC_CPLN_FRONT END_CH4: Q5D.1 R125D.1 U10D.4
EN1: JM1.27 R102.1
FCLK_N: JM1.78 U12.20
FCLK_P: JM1.76 U12.19
FE_EN: JM2.54 R6.1 R115.1 U2.2 U19.5
IF0: R27.2 U15.27
IF1: R26.2 U15.26
INTREF: C98.2 Y1.3
JTAG1: P1.B9
JTAG2: P1.A5
JTAG3: P1.A6
JTAG4: P1.A7
JTAG5: P1.A8
JTAG_VREF: J8.6 JM2.92
JTAGEN: JM1.90 R103.2
LCLK_N: JM1.62 U12.18
LCLK_P: JM1.60 U12.17
LED: D1.1(K) JM1.96
M2_PER_N0: C76.1
M2_PER_N1: C72.1
M2_PER_N2: C68.1
M2_PER_N3: C16.1
M2_PER_P0: C77.1
M2_PER_P1: C73.1
M2_PER_P2: C69.1
M2_PER_P3: C65.1
M2_PET_N0: R82.2
M2_PET_N1: R78.2
M2_PET_N2: R74.2
M2_PET_N3: R70.2
M2_PET_P0: R83.2
M2_PET_P1: R79.2
M2_PET_P2: R75.2
M2_PET_P3: R71.2
MGT_CLK1_N: C40.2 C80.2 JM3.32
MGT_CLK1_P: C79.2 C81.2 JM3.34
MGT_RX0_N: JM3.7 R68.1 R70.1
MGT_RX0_P: JM3.9 R69.1 R71.1
MGT_RX1_N: JM3.13 R72.1 R74.1
MGT_RX1_P: JM3.15 R73.1 R75.1
MGT_RX2_N: JM3.19 R76.1 R78.1
MGT_RX2_P: JM3.21 R77.1 R79.1
MGT_RX3_N: JM3.25 R80.1 R82.1
MGT_RX3_P: JM3.27 R81.1 R83.1
MGT_TX0_N: C16.2 C62.2 JM3.8
MGT_TX0_P: C15.2 C65.2 JM3.10
MGT_TX1_N: C66.2 C68.2 JM3.14
MGT_TX1_P: C67.2 C69.2 JM3.16
MGT_TX2_N: C70.2 C72.2 JM3.20
MGT_TX2_P: C71.2 C73.2 JM3.22
MGT_TX3_N: C74.2 C76.2 JM3.26
MGT_TX3_P: C75.2 C77.2 JM3.28
N00003_ADC_PLL: C97.1 U15.16
N00003_FRONT END_CH1: R56A.2 U7A.6
N00003_FRONT END_CH2: R56B.2 U7B.6
N00003_FRONT END_CH3: R56C.2 U7C.6
N00003_FRONT END_CH4: R56D.2 U7D.6
N00067_FRONT END_CH1: Q3A.2 R47A.1
N00067_FRONT END_CH2: Q3B.2 R47B.1
N00067_FRONT END_CH3: Q3C.2 R47C.1
N00067_FRONT END_CH4: Q3D.2 R47D.1
N00069_FRONT END_CH1: D2A.2 K1A.8 Q3A.1
N00069_FRONT END_CH2: D2B.2 K1B.8 Q3B.1
N00069_FRONT END_CH3: D2C.2 K1C.8 Q3C.1
N00069_FRONT END_CH4: D2D.2 K1D.8 Q3D.1
N00069_PCIE_X4: P1.A19
N00077_FRONT END_CH1: R32A.2 R33A.1
N00077_FRONT END_CH2: R32B.2 R33B.1
N00077_FRONT END_CH3: R32C.2 R33C.1
N00077_FRONT END_CH4: R32D.2 R33D.1
N00085_FRONT END_CH1: K1A.6 K2A.3
N00085_FRONT END_CH2: K1B.6 K2B.3
N00085_FRONT END_CH3: K1C.6 K2C.3
N00085_FRONT END_CH4: K1D.6 K2D.3
N00105_FRONT END_CH1: Q4A.2 R48A.1
N00105_FRONT END_CH2: Q4B.2 R48B.1
N00105_FRONT END_CH3: Q4C.2 R48C.1
N00105_FRONT END_CH4: Q4D.2 R48D.1
N00107_FRONT END_CH1: D3A.2 K2A.8 Q4A.1
N00107_FRONT END_CH2: D3B.2 K2B.8 Q4B.1
N00107_FRONT END_CH3: D3C.2 K2C.8 Q4C.1
N00107_FRONT END_CH4: D3D.2 K2D.8 Q4D.1
N00129_FRONT END_CH1: K2A.4 R30A.1
N00129_FRONT END_CH2: K2B.4 R30B.1
N00129_FRONT END_CH3: K2C.4 R30C.1
N00129_FRONT END_CH4: K2D.4 R30D.1
N00131_FRONT END_CH1: R29A.1 R30A.2
N00131_FRONT END_CH2: R29B.1 R30B.2
N00131_FRONT END_CH3: R29C.1 R30C.2
N00131_FRONT END_CH4: R29D.1 R30D.2
N00133_FRONT END_CH1: K2A.2 R31A.1
N00133_FRONT END_CH2: K2B.2 R31B.1
N00133_FRONT END_CH3: K2C.2 R31C.1
N00133_FRONT END_CH4: K2D.2 R31D.1
N00135_FRONT END_CH1: K1A.4 K1A.5
N00135_FRONT END_CH2: K1B.4 K1B.5
N00135_FRONT END_CH3: K1C.4 K1C.5
N00135_FRONT END_CH4: K1D.4 K1D.5
N00137_FRONT END_CH1: C20A.1 K2A.7 R31A.2
N00137_FRONT END_CH2: C20B.1 K2B.7 R31B.2
N00137_FRONT END_CH3: C20C.1 K2C.7 R31C.2
N00137_FRONT END_CH4: C20D.1 K2D.7 R31D.2
N00143_FRONT END_CH1: K2A.5 R29A.2 R41A.2
N00143_FRONT END_CH2: K2B.5 R29B.2 R41B.2
N00143_FRONT END_CH3: K2C.5 R29C.2 R41C.2
N00143_FRONT END_CH4: K2D.5 R29D.2 R41D.2
N00149_FRONT END_CH1: C21A.1 C23A.2 K1A.7 R33A.2 R35A.2
N00149_FRONT END_CH2: C21B.1 C23B.2 K1B.7 R33B.2 R35B.2
N00149_FRONT END_CH3: C21C.1 C23C.2 K1C.7 R33C.2 R35C.2
N00149_FRONT END_CH4: C21D.1 C23D.2 K1D.7 R33D.2 R35D.2
N00151_FRONT END_CH1: J2A.1(S) K1A.3
N00151_FRONT END_CH2: J2B.1(S) K1B.3
N00151_FRONT END_CH3: J2C.1(S) K1C.3
N00151_FRONT END_CH4: J2D.1(S) K1D.3
N00153_FRONT END_CH1: C28A.1 FB4A.1 R99A.1
N00153_FRONT END_CH2: C28B.1 FB4B.1 R99B.1
N00153_FRONT END_CH3: C28C.1 FB4C.1 R99C.1
N00153_FRONT END_CH4: C28D.1 FB4D.1 R99D.1
N00155_FRONT END_CH1: C30A.1 R100A.2 U18A.6
N00155_FRONT END_CH2: C30B.1 R100B.2 U18B.6
N00155_FRONT END_CH3: C30C.1 R100C.2 U18C.6
N00155_FRONT END_CH4: C30D.1 R100D.2 U18D.6
N00161_FRONT END_CH1: C30A.2 R98A.1 R99A.2 R121A.2 U18A.2
N00161_FRONT END_CH2: C30B.2 R98B.1 R99B.2 R121B.2 U18B.2
N00161_FRONT END_CH3: C30C.2 R98C.1 R99C.2 R121C.2 U18C.2
N00161_FRONT END_CH4: C30D.2 R98D.1 R99D.2 R121D.2 U18D.2
N00175_FRONT END_CH1: C26A.2 R54A.2
N00175_FRONT END_CH2: C26B.2 R54B.2
N00175_FRONT END_CH3: C26C.2 R54C.2
N00175_FRONT END_CH4: C26D.2 R54D.2
N00191_FRONT END_CH1: C29A.2 R100A.1 U9A.4
N00191_FRONT END_CH2: C29B.2 R100B.1 U9B.4
N00191_FRONT END_CH3: C29C.2 R100C.1 U9C.4
N00191_FRONT END_CH4: C29D.2 R100D.1 U9D.4
N00197_ADC_PLL: C98.1 U15.18
N00197_FRONT END_CH1: R121A.1 R123A.2 R124A.2
N00197_FRONT END_CH2: R121B.1 R123B.2 R124B.2
N00197_FRONT END_CH3: R121C.1 R123C.2 R124C.2
N00197_FRONT END_CH4: R121D.1 R123D.2 R124D.2
N00207_ADC_PLL: R28.1 U15.29
N00209_FRONT END_CH1: R65A.1 U9A.3
N00209_FRONT END_CH2: R65B.1 U9B.3
N00209_FRONT END_CH3: R65C.1 U9C.3
N00209_FRONT END_CH4: R65D.1 U9D.3
N00211_FRONT END_CH1: C26A.1 R65A.2 U9A.2
N00211_FRONT END_CH2: C26B.1 R65B.2 U9B.2
N00211_FRONT END_CH3: C26C.1 R65C.2 U9C.2
N00211_FRONT END_CH4: C26D.1 R65D.2 U9D.2
N00215_FRONT END_CH1: R120A.2 U9A.14
N00215_FRONT END_CH2: R120B.2 U9B.14
N00215_FRONT END_CH3: R120C.2 U9C.14
N00215_FRONT END_CH4: R120D.2 U9D.14
N00293_FRONT END_CH1: C27A.1 R96A.1 U10A.2
N00293_FRONT END_CH2: C27B.1 R96B.1 U10B.2
N00293_FRONT END_CH3: C27C.1 R96C.1 U10C.2
N00293_FRONT END_CH4: C27D.1 R96D.1 U10D.2
N00295_FRONT END_CH1: C27A.2 R122A.2 U10A.1 U18A.3
N00295_FRONT END_CH2: C27B.2 R122B.2 U10B.1 U18B.3
N00295_FRONT END_CH3: C27C.2 R122C.2 U10C.1 U18C.3
N00295_FRONT END_CH4: C27D.2 R122D.2 U10D.1 U18D.3
N00307_FRONT END_CH1: Q5A.2 R126A.1
N00307_FRONT END_CH2: Q5B.2 R126B.1
N00307_FRONT END_CH3: Q5C.2 R126C.1
N00307_FRONT END_CH4: Q5D.2 R126D.1
N00325_FRONT END_CH1: R53A.2 R54A.1
N00325_FRONT END_CH2: R53B.2 R54B.1
N00325_FRONT END_CH3: R53C.2 R54C.1
N00325_FRONT END_CH4: R53D.2 R54D.1
N00331_FRONT END_CH1: FB6A.2 R118A.2 R119A.1
N00331_FRONT END_CH2: FB6B.2 R118B.2 R119B.1
N00331_FRONT END_CH3: FB6C.2 R118C.2 R119C.1
N00331_FRONT END_CH4: FB6D.2 R118D.2 R119D.1
N00337_FRONT END_CH1: C31A.1 FB7A.2 R118A.1 R119A.2 U7A.7
N00337_FRONT END_CH2: C31B.1 FB7B.2 R118B.1 R119B.2 U7B.7
N00337_FRONT END_CH3: C31C.1 FB7C.2 R118C.1 R119C.2 U7C.7
N00337_FRONT END_CH4: C31D.1 FB7D.2 R118D.1 R119D.2 U7D.7
N00431_FRONT END_CH1: R56A.1 R98A.2 U9A.11
N00431_FRONT END_CH2: R56B.1 R98B.2 U9B.11
N00431_FRONT END_CH3: R56C.1 R98C.2 U9C.11
N00431_FRONT END_CH4: R56D.1 R98D.2 U9D.11
N00575_FRONT END_CH1: K1A.2 R43A.2
N00575_FRONT END_CH2: K1B.2 R43B.2
N00575_FRONT END_CH3: K1C.2 R43C.2
N00575_FRONT END_CH4: K1D.2 R43D.2
N00579_FRONT END_CH1: C21A.2 C22A.2 R32A.1 R43A.1
N00579_FRONT END_CH2: C21B.2 C22B.2 R32B.1 R43B.1
N00579_FRONT END_CH3: C21C.2 C22C.2 R32C.1 R43C.1